# KiCad board BDCMotorController.kicad_pcb (continued)
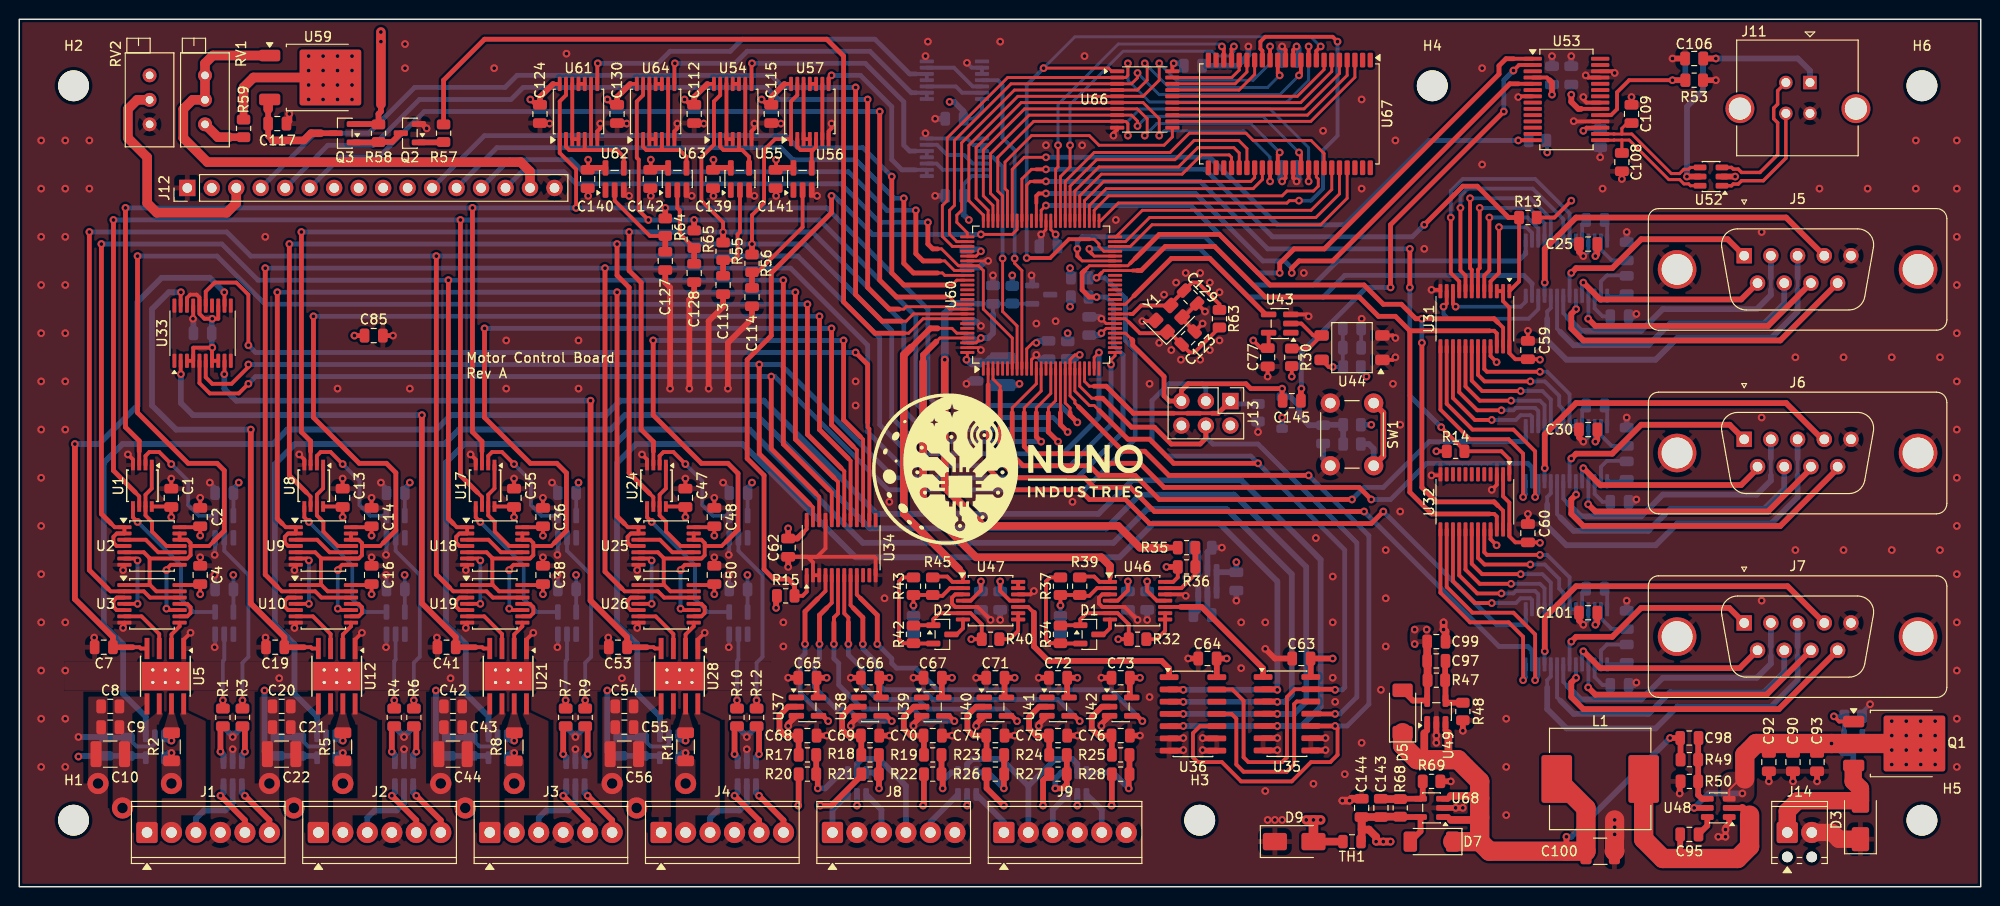
[diagram p0: board, top side]
## Routing (per net, layer and track width the routed paths; a pad name or vN(x,y) marks a point on that pad's centre or on a via; arc(x,y) is an arc through that point) (continued)
/ADC conditioning/VA1: length 4.1
  Top w0.4: R40.2 102.77,25.68 103.63,26.54 U47.8 U47.9
/ADC conditioning/VA1_IN: length 21.3
  Top w0.4: U47.10 104.67,29.03 105.27,28.43
  Top w0.6: U36.1 119.3,22.66 118.52,23.43 106.77,23.43 105.27,24.93 105.27,28.43
/ADC conditioning/VA1_OUT: length 37.4
  Top w0.3: 95.27,57.93 96.77,57.93 97.27,57.43 U60.96
  Top w0.4: R45.1 94.86,32.18 96.27,32.18 96.82,31.63 U47.1 97.91,32.18
  Top w0.6: 95.27,57.93 94.52,57.93 92.52,55.93 ; 97.52,32.93 97.91,32.54 97.91,32.18
  Top w0.8: 92.52,55.93 91.77,55.18 91.77,38.68 97.52,32.93
/IR Receiver/RX: length 20.3
  Top w0.3: U60.36 114.77,60.43 115.64,61.31
  Top w0.5: 115.64,61.31 119.52,65.18 123.52,65.18 129.32,59.38 U43.4
/LCD/BL_LED: length 55.6
  Top w1: J12.15 52.99,74.21 52.02,75.18 19.52,75.18 17.02,77.68 17.02,80.68 17.98,81.64 RV1.2 RV1.3 19.27,85.43 20.08,86.24 U59.1
/LCD/BL_ON: length 88.9
  Top w0.3: U60.93 93.77,58.93 92.27,57.43 91.77,57.43
  Top w0.5: R57.1 44.02,83.68 48.27,87.93 83.77,87.93 85.52,86.18 85.52,60.68 88.77,57.43 91.77,57.43
/LCD/DB4: length 69.9
  Top w0.3: 98.02,62.93 97.27,62.93 96.77,62.43 96.27,62.43
  Top w0.5: v1(90.52,73.68) 90.52,63.68 91.77,62.43 96.27,62.43
  Bottom w0.5: J12.11 48.26,77.93 79.52,77.93 80.77,76.68 87.52,76.68 v1(90.52,73.68)
/LCD/DB5: length 63.8
  Top w0.3: 98.02,63.43 96.02,63.43 95.77,63.68 95.27,63.68
  Top w0.5: 95.27,63.68 92.77,63.68 91.77,64.68 v1(91.77,71.43)
  Bottom w0.5: J12.12 49.55,76.68 79.02,76.68 80.27,75.43 86.77,75.43 90.77,71.43 v1(91.77,71.43)
/LCD/DB6: length 58.7
  Top w0.3: 98.02,63.93 97.02,63.93 96.02,64.93 95.52,64.93
  Top w0.5: 95.52,64.93 93.77,64.93 93.02,65.68 v1(93.02,70.18)
  Bottom w0.5: v1(93.02,70.18) 90.02,70.18 86.02,74.18 58.52,74.18 57.27,75.43 50.84,75.43 J12.13
/LCD/DB7: length 66.9
  Top w0.3: U60.7 103.02,56.93 100.02,59.93 100.02,63.93 99.52,64.43 U60.82 ; 95.27,66.18 95.68,66.18 97.43,64.43 98.02,64.43
  Top w0.5: 95.27,66.18 94.77,66.18 94.27,66.68 v1(94.27,68.93)
  Bottom w0.5: v1(94.27,68.93) 89.27,68.93 85.27,72.93 57.77,72.93 56.52,74.18 52.13,74.18 J12.14
/LCD/E: length 90
  Top w0.3: 96.02,61.18 96.52,61.18 97.27,60.43 U60.90
  Top w0.5: 96.02,61.18 91.02,61.18 89.27,62.93 v1(89.27,80.43)
  Bottom w0.5: v1(89.27,80.43) 42.02,80.43 37.27,75.68 33.31,75.68 J12.6
/LCD/RS: length 101.6
  Top w0.3: U60.92 92.77,59.43 92.02,58.68 91.52,58.68
  Top w0.5: v1(86.77,82.93) 86.77,61.43 89.52,58.68 91.52,58.68
  Bottom w0.5: J12.4 30.73,78.18 36.27,78.18 41.02,82.93 50.39,82.93 51.64,84.18 78.02,84.18 79.27,82.93 v1(86.77,82.93)
/LCD/R~{W}: length 96.3
  Top w0.3: 91.27,59.93 91.77,59.93 92.02,60.18 96.27,60.18 96.52,59.93 U60.91
  Top w0.5: 91.27,59.93 90.27,59.93 88.02,62.18 v1(88.02,81.68)
  Bottom w0.5: J12.5 32.02,76.93 36.77,76.93 41.52,81.68 51.02,81.68 52.27,82.93 77.52,82.93 78.77,81.68 v1(88.02,81.68)
  Bottom w0.6: J12.5 27.61,72.5
/LCD/Vo: length 24.9
  Top w1: J12.3 22.51,70.92 21.52,69.93 14.27,69.93 13.27,70.93 13.27,75.68 11.27,77.68 11.27,80.68 12.23,81.64 RV2.2
/MCU/INT6: length 24.1
  Top w0.3: v1(102.02,65.18) 102.02,59.68 103.52,58.18 U60.8
  Bottom w0.4: U58.11 101.02,75.68 102.02,74.68 v1(102.02,65.18)
/MCU/INT7: length 32.6
  Top w0.3: U60.9 104.02,63.93 103.27,64.68 v1(103.27,65.18)
  Bottom w0.4: U65.11 101.52,83.68 102.02,83.18 102.02,77.68 103.27,76.43 v1(103.27,65.18)
/MCU/MISO: length 21.4
  Top w0.3: U60.22 110.52,52.43 111.02,51.93 111.52,51.93
  Top w0.4: 123.77,49.12 122.48,49.12 ; 119.77,49.12 121.2,49.12
  Top w0.5: 123.77,49.12 124.38,49.12 J13.1 ; 111.52,51.93 112.77,51.93 115.58,49.12 119.77,49.12 ; 121.2,49.12 122.48,49.12
  Bottom w0.5: J13.1 125.95,50.09 R16.1
/MCU/MOSI: length 61.9
  Top w0.3: U60.21 110.02,51.93 111.27,50.68 111.77,50.68
  Top w0.5: 111.77,50.68 112.39,50.68 115.39,47.68 117.77,47.68 119.52,45.93 122.52,45.93 123.11,46.52 J13.4 ; v1(136.52,17.93) 134.99,17.93 134.97,17.95 U35.11
  Bottom w0.5: v1(136.52,17.93) 137.02,17.93 138.77,19.68 138.77,35.68 128.52,45.93 123.83,45.93 123.11,46.66 J13.4
/MCU/OC1A: length 218.3
  Top w0.3: v1(112.02,55.43) 111.52,54.93 U60.24
  Top w0.4: 9.23,30.89 9.47,30.65 U3.2 12.92,30.65 13.57,30 U3.12 ; 44.63,31.05 45.03,30.65 U19.2 48.48,30.65 49.13,30 U19.12
  Top w0.5: v1(7.27,67.93) 7.27,32.85 9.23,30.89 ; v1(43.27,65.43) 43.27,32.41 44.63,31.05
  Bottom w0.5: v1(112.02,55.43) 112.02,48.68 108.27,44.93 92.27,44.93 89.27,47.93 89.27,56.93 80.77,65.43 v1(43.27,65.43) 24.02,65.43 21.52,67.93 v1(7.27,67.93)
/MCU/OC1C: length 194.4
  Top w0.3: U60.26 113.68,55.09 113.27,54.68 v1(113.27,54.18)
  Top w0.4: 62.52,30.94 62.81,30.65 U26.2 66.26,30.65 66.91,30 U26.12 ; 26.74,31.16 27.25,30.65 U10.2 30.7,30.65 31.35,30 U10.12
  Top w0.5: v1(25.52,64.18) 25.52,32.38 26.74,31.16 ; 62.52,30.94 60.77,32.69 v1(60.77,64.18)
  Bottom w0.5: v1(113.27,54.18) 113.27,47.93 109.02,43.68 91.52,43.68 88.02,47.18 88.02,56.18 80.02,64.18 v1(60.77,64.18) v1(25.52,64.18)
/MCU/PCINT12: length 76.4
  Top w0.3: 105.27,73.18 104.89,73.18 104.52,72.81 U60.66
  Top w0.4: v1(106.52,73.18) 105.27,73.18 ; v1(147.52,47.68) 150.02,45.18 153.77,45.18 154.59,44.36 U32.1
  Top w0.5: v1(144.27,66.18) v1(144.27,62.18)
  Bottom w0.5: v1(144.27,62.18) 144.27,50.93 v1(147.52,47.68) ; v1(106.52,73.18) 122.52,73.18 129.52,66.18 v1(144.27,66.18)
/MCU/PCINT13: length 70.8
  Top w0.3: U60.67 104.02,73.43 105.02,74.43 105.52,74.43
  Top w0.4: 105.52,74.43 v1(106.52,74.43) ; U31.1 155.61,62.81 R13.1
  Top w0.5: R13.1 154.52,69.43 151.27,72.68 149.77,72.68 v1(145.77,68.68)
  Bottom w0.5: v1(145.77,68.68) 144.52,67.43 130.02,67.43 123.02,74.43 v1(106.52,74.43)
/MCU/PCINT14: length 73.2
  Top w0.3: v1(99.77,67.68) 103.02,67.68 103.52,68.18 U60.68
  Top w0.4: U34.1 81.7,30.61 81.27,30.18 R15.2
  Top w0.5: R15.2 80.43,31.27 79.77,31.93 78.27,31.93 77.27,32.93 77.27,42.68 75.52,44.43 75.52,54.68 78.02,57.18 78.02,63.68 84.27,69.93 v1(84.27,71.68)
  Bottom w0.5: v1(99.77,67.68) 88.52,67.68 84.52,71.68 v1(84.27,71.68)
/MCU/PCINT15: length 67.5
  Top w0.3: U60.69 103.02,74.43 104.27,75.68 v1(106.52,75.68)
  Top w0.4: v1(155.52,77.43) 155.55,77.46 U53.14
  Bottom w0.4: R54.2 v1(155.52,77.43)
  Bottom w0.5: v1(155.52,77.43) 146.27,77.43 137.52,68.68 130.52,68.68 123.52,75.68 v1(106.52,75.68)
/MCU/PH3: length 177.7
  Top w0.3: 105.52,49.18 105.52,49.68 107.02,51.18 U60.15
  Top w0.4: U8.6 30.22,40.48 29.77,40.93 ; 65.39,40.81 65.78,40.42 U24.6 ; U57.13 80.72,82.13 80.07,81.48 U57.1 78.41,77.57 77.27,76.43 77.27,70.93 76.02,69.68 v1(76.02,66.68)
  Top w0.5: 29.77,40.93 28.02,42.68 v1(28.02,66.68) ; v1(106.02,46.18) 105.52,46.68 105.52,49.18 ; 65.39,40.81 63.27,42.93 63.27,62.18 62.02,63.43 v1(62.02,66.68)
  Top w0.6: v1(76.02,66.68) R56.1
  Bottom w0.5: v1(106.02,46.18) 93.02,46.18 90.52,48.68 90.52,57.68 81.52,66.68 v1(76.02,66.68) v1(62.02,66.68) v1(28.02,66.68)
/MCU/PH4: length 169.1
  Top w0.3: 106.77,49.18 106.77,49.68 107.52,50.43 U60.16
  Top w0.4: 30.22,45.18 30.22,43.76 U8.3 ; 65.78,45.18 U24.3 ; v1(73.02,67.93) 73.02,68.93 70.77,71.18 70.77,75.68 72.07,76.98 U54.1 72.07,81.48 72.72,82.13 U54.13
  Top w0.5: v1(63.27,67.93) 63.27,63.93 64.52,62.68 64.52,47.43 65.78,46.17 65.78,45.18 ; v1(107.77,46.18) 106.77,47.18 106.77,49.18 ; v1(29.27,67.93) 29.27,47.18 30.22,46.23 30.22,45.18
  Top w0.6: v1(73.02,67.93) R55.1
  Bottom w0.5: v1(29.27,67.93) v1(63.27,67.93) v1(73.02,67.93) 82.27,67.93 91.77,58.43 91.77,49.43 93.77,47.43 106.52,47.43 v1(107.77,46.18)
/MCU/PH5: length 197.7
  Top w0.3: 108.02,49.18 U60.17
  Top w0.4: 12.02,40.93 12.44,40.51 U1.6 ; v1(65.27,69.18) 64.27,70.18 64.27,75.43 64.07,75.63 U64.1 64.07,81.48 64.72,82.13 U64.13 ; 47.52,40.93 48.01,40.45 U17.6
  Top w0.5: v1(9.77,69.18) 9.77,43.18 12.02,40.93 ; 47.52,40.93 45.77,42.68 v1(45.77,69.18) ; 108.02,49.18 108.02,47.93 v1(108.77,47.18)
  Top w0.6: v1(70.02,69.18) R65.1
  Bottom w0.5: v1(9.77,69.18) v1(45.77,69.18) v1(65.27,69.18) v1(70.02,69.18) 83.02,69.18 93.02,59.18 93.02,50.18 94.52,48.68 107.27,48.68 v1(108.77,47.18)
/MCU/PH6: length 189.2
  Top w0.3: U60.18 108.52,50.18 109.02,49.68 109.02,49.18
  Top w0.4: U61.1 56.07,76.98 ; U61.1 56.07,76.13 57.77,74.43 v1(57.77,70.43) ; U61.1 56.07,81.48 56.72,82.13 U61.13 ; 48.01,45.18 U17.3 ; 12.44,45.18 U1.3
  Top w0.5: v1(47.02,70.43) 47.02,47.18 48.01,46.2 48.01,45.18 ; v1(109.77,48.18) 109.02,48.93 109.02,49.18 ; v1(11.02,70.43) 11.02,47.68 12.44,46.26 12.44,45.18
  Top w0.6: v1(67.02,70.43) R64.1
  Bottom w0.5: v1(109.77,48.18) 108.02,49.93 95.27,49.93 94.27,50.93 94.27,59.93 83.77,70.43 v1(67.02,70.43) v1(57.77,70.43) v1(47.02,70.43) v1(11.02,70.43)
/MCU/RESET_TRIGGER: length 47.1
  Top w0.4: v1(155.02,84.68) 155.59,85.26 U53.2
  Top w0.5: v1(142.27,62.18) 142.27,68.68 v1(154.02,80.43)
  Top w0.6: C145.2 132.97,51.63 v1(133.02,51.68)
  Bottom w0.5: v1(154.02,80.43) 154.02,83.68 v1(155.02,84.68) ; v1(142.27,62.18) 139.78,62.18 133.02,55.42 v1(133.02,51.68)
/MCU/RXD0: length 75.3
  Top w0.3: 100.52,52.06 U60.2
  Top w0.5: v1(141.52,38.93) 140.27,37.68 117.27,37.68 114.77,40.18 111.02,40.18 110.02,41.18 102.77,41.18 100.52,43.43 100.52,52.06
  Bottom w0.4: 156.3,27.71 U51.15
  Bottom w0.5: v1(141.52,38.93) 153.27,27.18 156.02,27.18 156.3,27.46 156.3,27.71
/MCU/RXD1: length 57.1
  Top w0.3: 110.02,65.18 110.27,64.93 U60.45
  Top w0.4: v1(109.77,66.18) 109.77,65.43 110.02,65.18
  Bottom w0.4: 156.3,65.93 U15.15
  Bottom w0.5: 156.3,65.93 156.3,65.69 155.53,64.93 136.77,64.93 134.27,62.43 128.02,62.43 123.02,67.43 110.27,67.43 109.77,66.93 v1(109.77,66.18)
/MCU/RXD2: length 69.1
  Top w0.3: 103.02,49.18 103.02,49.68 105.52,52.18 U60.12
  Top w0.5: 103.02,49.18 103.02,44.81 104.14,43.68 111.02,43.68 112.02,42.68 115.77,42.68 118.27,40.18 v1(138.27,40.18)
  Bottom w0.4: 156.3,46.68 U16.15
  Bottom w0.5: v1(138.27,40.18) 139.52,41.43 141.52,41.43 146.27,46.18 156.02,46.18 156.3,46.46 156.3,46.68
/MCU/RXD3: length 65.5
  Top w0.3: v1(106.52,70.68) 106.02,70.18 U60.63
  Top w0.4: 155.02,85.91 U53.1
  Top w0.5: 155.02,85.91 154.25,85.91 153.52,85.18 153.52,84.31 135.39,66.18 132.27,66.18 130.77,64.68 v1(130.77,63.68)
  Bottom w0.5: v1(130.77,63.68) 128.52,63.68 121.52,70.68 v1(106.52,70.68)
/MCU/SCK: length 102.3
  Top w0.3: U60.20 109.52,51.43 111.02,49.93 111.52,49.93 112.02,49.43
  Top w0.4: U35.13 132.33,20.49 131.52,19.68 131.52,13.43 131.02,12.93 127.52,12.93 127.02,13.43 127.02,19.31 125.86,20.47 U36.13
  Top w0.5: U35.13 136.46,20.49 v1(136.52,20.43) ; 112.02,49.43 115.02,46.43 117.27,46.43 119.77,43.93 v1(128.52,43.93)
  Bottom w0.5: J13.3 123.11,51.84 122.77,52.18 119.27,52.18 117.52,50.43 117.52,46.18 119.02,44.68 127.77,44.68 v1(128.52,43.93) 137.52,34.93 137.52,20.68 137.27,20.43 v1(136.52,20.43)
/MCU/SCL: length 220.4
  Top w0.3: 112.27,63.68 112.52,63.93 U60.43 115.52,63.93
  Top w0.4: v1(23.77,52.18) 22.77,51.18 19.77,51.18 18.69,52.26 U33.5 ; 152.52,38.68 153.02,38.68 153.3,38.41 U32.22 ; 112.27,63.68 v1(111.77,63.18) ; 152.52,57.68 153.02,57.68 153.3,57.41 U31.22 ; 116.02,63.93 115.52,63.93 ; 82.64,40.81 82.99,40.46 U34.22
  Top w0.5: 116.02,63.93 116.39,63.93 118.89,66.43 124.02,66.43 129.27,61.18 139.02,61.18 141.02,59.18 142.77,59.18 144.27,57.68 ; 152.52,38.68 146.52,38.68 144.27,40.93 144.27,57.68 ; 144.27,57.68 152.52,57.68 ; v1(78.02,52.93) 78.02,45.43 82.64,40.81
  Bottom w0.5: v1(23.77,52.18) 24.52,52.93 v1(78.02,52.93) 78.39,52.93 90.14,41.18 110.52,41.18 115.77,46.43 115.77,55.68 114.77,56.68 114.77,61.06 112.64,63.18 v1(111.77,63.18) R67.2
/MCU/SDA: length 223.7
  Top w0.3: 110.77,64.18 111.02,64.43 U60.44 115.02,64.43 115.27,64.68
  Top w0.4: 115.77,65.18 115.27,64.68 ; U33.6 19.34,52.86 20.02,52.18 22.02,52.18 23.77,53.93 v1(23.77,54.18) ; 153.39,39.56 153.94,39.01 U32.23 ; 110.77,64.18 110.52,63.93 ; U31.23 153.94,58.01 153.39,58.56 ; 82.02,39.68 82.34,39.36 U34.23
  Top w0.5: 82.02,39.68 76.77,44.93 v1(76.77,54.18) ; v1(111.77,61.18) 111.02,61.18 110.27,61.93 110.27,63.68 110.52,63.93 ; 153.39,58.56 153.02,58.93 v1(145.52,58.93) 144.89,58.93 143.39,60.43 141.52,60.43 139.52,62.43 129.77,62.43 124.52,67.68 118.27,67.68 115.77,65.18 ; v1(145.52,56.43) 145.52,41.43 147.02,39.93 153.02,39.93 153.39,39.56
  Bottom w0.5: v1(145.52,58.93) v1(145.52,56.43) ; v1(23.77,54.18) v1(76.77,54.18) 79.02,54.18 90.77,42.43 109.77,42.43 114.52,47.18 114.52,55.18 113.52,56.18 113.52,60.43 112.77,61.18 v1(111.77,61.18) R66.2
/MCU/TXD0: length 74.7
  Top w0.3: U60.3 101.02,52.68 101.77,51.93 101.77,51.43
  Top w0.5: 101.77,51.43 101.77,44.18 103.52,42.43 110.52,42.43 111.52,41.43 115.27,41.43 117.77,38.93 v1(139.52,38.93)
  Bottom w0.4: 156.94,24.18 U51.13
  Bottom w0.5: 156.94,24.18 156.94,24.51 156.52,24.93 153.52,24.93 v1(139.52,38.93)
/MCU/TXD1: length 53.7
  Top w0.3: 111.27,65.68 111.52,65.43 U60.46
  Top w0.4: v1(111.02,66.18) 111.02,65.93 111.27,65.68
  Bottom w0.4: 156.94,62.43 U15.13
  Bottom w0.5: v1(111.02,66.18) 122.52,66.18 127.52,61.18 135.27,61.18 137.52,63.43 156.09,63.43 156.94,62.58 156.94,62.43
/MCU/TXD2: length 66.9
  Top w0.3: 104.27,49.18 104.27,49.68 106.02,51.43 U60.13
  Top w0.5: 104.27,49.18 104.27,45.68 105.02,44.93 111.52,44.93 112.52,43.93 116.27,43.93 118.77,41.43 139.02,41.43 v1(140.27,40.18)
  Bottom w0.4: 156.94,43.18 U16.13
  Bottom w0.5: 156.94,43.18 156.94,43.51 156.52,43.93 146.02,43.93 142.27,40.18 v1(140.27,40.18)
/MCU/TXD3: length 66.3
  Top w0.3: U60.64 105.52,70.93
  Top w0.4: 105.52,70.93 105.52,71.68 105.77,71.93 v1(106.52,71.93) ; 155.52,83.31 U53.5
  Top w0.5: 155.52,83.31 154.64,83.31 136.27,64.93 132.77,64.93 132.02,64.18 v1(132.02,63.68)
  Bottom w0.5: v1(106.52,71.93) 122.02,71.93 129.02,64.93 131.27,64.93 132.02,64.18 v1(132.02,63.68)
/MCU/XMEM_A00: length 8.3
  Top w0.3: U67.18 126.57,84.73 125.8,83.96 U66.19
/MCU/XMEM_A01: length 9.5
  Top w0.3: U67.17 127.37,84.53 126.14,83.31 U66.18
/MCU/XMEM_A02: length 10.7
  Top w0.3: U66.17 126.55,82.66 128.17,84.28 U67.16
/MCU/XMEM_A03: length 17.9
  Top w0.3: U66.16 132.59,82.01 135.37,84.78 U67.7
/MCU/XMEM_A04: length 19.1
  Top w0.3: U67.6 136.17,84.58 132.94,81.36 U66.15
/MCU/XMEM_A05: length 20.2
  Top w0.3: U66.14 133.3,80.71 136.97,84.38 U67.5
/MCU/XMEM_A06: length 21.4
  Top w0.3: U67.4 137.77,84.18 133.64,80.06 U66.13
/MCU/XMEM_A07: length 22.6
  Top w0.3: U67.3 138.57,83.98 134,79.41 U66.12
/MCU/XMEM_A08: length 21.9
  Top w0.3: U67.30 128.97,73.38 128.02,72.43 112.77,72.43 111.02,70.68 U60.53
/MCU/XMEM_A09: length 21.7
  Top w0.3: U67.29 128.17,73.58 127.77,73.18 112.52,73.18 110.52,71.18 U60.54
/MCU/XMEM_A10: length 21.3
  Top w0.3: U60.55 110.02,71.68 112.27,73.93 120.64,73.93 122.64,75.93 125.52,75.93 125.77,75.68 U67.26
/MCU/XMEM_A11: length 23.8
  Top w0.3: U67.27 126.57,76.13 126.02,76.68 122.27,76.68 120.27,74.68 112.02,74.68 109.52,72.18 U60.56
/MCU/XMEM_A12: length 26.2
  Top w0.3: U60.57 109.02,72.68 111.77,75.43 119.89,75.43 121.89,77.43 126.52,77.43 127.37,76.58 U67.28
/MCU/XMEM_A13: length 35.4
  Top w0.3: U67.38 135.37,76.08 134.02,77.43 128.02,77.43 127.27,78.18 121.39,78.18 119.39,76.18 111.52,76.18 108.52,73.18 U60.58
/MCU/XMEM_A14: length 34.2
  Top w0.3: U60.59 108.02,73.68 109.02,74.68 v1(109.02,76.93)
  Top w0.4: U67.19 125.77,86.93 v1(126.02,87.18)
  Bottom w0.3: v1(109.02,76.93) 109.02,81.18 114.52,86.68 123.77,86.68 124.27,86.18 125.52,86.18 126.02,86.68 v1(126.02,87.18)
/MCU/XMEM_A15: length 33.4
  Top w0.3: U60.60 107.52,74.43 107.77,74.68 v1(107.77,76.93)
  Top w0.4: v1(124.77,87.18) 124.97,86.98 U67.20
  Bottom w0.3: v1(124.77,87.18) 124.52,87.43 114.02,87.43 107.77,81.18 v1(107.77,76.93)
/MCU/XMEM_AD0: length 63.6
  Top w0.3: U60.78 96.81,66.43 95.77,67.47 95.77,70.68 96.27,71.18 96.27,77.68 102.55,83.96 U66.2 114.8,83.96 115.02,84.18 v1(115.02,85.43)
  Top w0.4: U67.9 v1(133.77,87.18)
  Bottom w0.3: 115.02,85.22 v1(115.02,85.43) 115.02,83.68 117.27,81.43 131.52,81.43 133.77,83.68 v1(133.77,87.18)
/MCU/XMEM_AD1: length 54.5
  Top w0.3: U60.77 97.27,66.93 96.52,67.68 96.52,70.18 97.02,70.68 97.02,77.43 102.89,83.31 U66.3 115.39,83.31 116.02,83.93 v1(116.02,84.43)
  Top w0.4: v1(132.77,84.18) 132.97,84.38 U67.10
  Bottom w0.3: v1(116.02,84.43) 118.27,82.18 130.77,82.18 v1(132.77,84.18)
/MCU/XMEM_AD2: length 51.4
  Top w0.3: U60.76 98.36,67.84 97.27,68.93 97.27,69.68 97.77,70.18 97.77,77.18 103.24,82.66 U66.4 115.99,82.66 117.02,83.68 117.02,85.18 v1(116.77,85.43)
  Top w0.4: U67.13 130.57,84.38 v1(130.77,84.18)
  Bottom w0.3: v1(116.77,85.43) 119.27,82.93 129.52,82.93 v1(130.77,84.18)
/MCU/XMEM_AD3: length 48.9
  Top w0.3: v1(118.27,85.43) 118.27,83.68 116.59,82.01 U66.5 103.59,82.01 98.52,76.93 98.52,71.18 100.02,69.68 U60.75
  Top w0.4: U67.14 v1(129.77,87.18)
  Bottom w0.3: v1(129.77,87.18) 129.77,85.43 128.02,83.68 120.02,83.68 v1(118.27,85.43)
/MCU/XMEM_AD4: length 48.2
  Top w0.3: U60.74 100.52,70.18 99.27,71.43 99.27,76.68 103.95,81.36 U66.6 116.59,81.36 118.27,79.68 v1(118.27,77.93)
  Top w0.4: U67.31 v1(129.77,73.18)
  Bottom w0.3: v1(129.77,73.18) 129.77,75.68 127.02,78.43 118.77,78.43 v1(118.27,77.93)
/MCU/XMEM_AD5: length 46.2
  Top w0.3: U60.73 101.02,70.68 100.02,71.68 100.02,76.43 104.3,80.71 U66.7 115.99,80.71 117.02,79.68 117.02,78.18 v1(116.77,77.93)
  Top w0.4: v1(130.77,76.18) 130.57,75.98 U67.32
  Bottom w0.3: v1(116.77,77.93) 118.02,79.18 127.77,79.18 v1(130.77,76.18)
/MCU/XMEM_AD6: length 45.3
  Top w0.3: v1(116.02,78.93) 116.02,79.43 115.39,80.06 U66.8 104.77,80.06 100.77,76.06 100.77,71.93 101.52,71.18 U60.72
  Top w0.4: U67.35 132.97,75.98 v1(132.77,76.18)
  Bottom w0.3: v1(132.77,76.18) 129.02,79.93 117.02,79.93 v1(116.02,78.93)
/MCU/XMEM_AD7: length 50.5
  Top w0.3: U60.71 102.02,71.68 101.52,72.18 101.52,75.68 105.24,79.41 U66.9 114.8,79.41 115.02,79.18 v1(115.02,77.93)
  Top w0.4: U67.36 v1(133.77,73.18)
  Bottom w0.3: v1(133.77,73.18) 133.77,76.68 129.77,80.68 116.27,80.68 115.02,79.43 v1(115.02,77.93)
/MCU/XMEM_ALE: length 26.4
  Top w0.3: U66.11 119.63,77.79 118.77,76.93 112.02,76.93 111.02,77.93 105.02,77.93 102.27,75.18 102.27,72.43 102.52,72.18 U60.70
/MCU/XMEM_BANK1: length 29.3
  Top w0.3: U60.48 115.27,66.43 117.52,68.68 135.02,68.68 137.77,71.43 U67.41
/MCU/XMEM_BANK2: length 28.1
  Top w0.3: U60.49 114.77,66.93 117.27,69.43 134.52,69.43 136.97,71.88 U67.40
/MCU/XMEM_BANK3: length 26.8
  Top w0.3: U67.39 136.17,72.33 134.02,70.18 116.52,70.18 113.77,67.43 U60.50
/MCU/XMEM_~{RD}: length 27.4
  Top w0.3: U67.37 134.57,73.63 134.77,73.43 134.77,72.68 134.27,72.18 131.52,72.18 131.02,71.68 113.02,71.68 111.52,70.18 U60.52
/MCU/XMEM_~{WR}: length 50.9
  Top w0.3: U60.51 112.18,69.09 114.02,70.93 131.52,70.93 131.77,71.18 v1(132.77,71.18)
  Top w0.4: v1(136.77,87.68) 136.27,88.18 129.27,88.18 128.77,87.68 128.77,86.93 128.97,86.73 U67.15
  Bottom w0.4: v1(132.77,71.18) 134.02,71.18 135.27,72.43 135.27,76.43 136.77,77.93 v1(136.77,87.68)
/MCU/XTAL1: length 13.8
  Top w0.3: 115.27,59.43 U60.34
  Top w0.4: 115.27,59.43 115.52,59.43 116.4,60.31 Y1.3 119.45,60.45 C129.1 121.68,62.68 122.27,62.68 124.52,60.43 R63.2
/MCU/XTAL2: length 13.5
  Top w0.3: 115.14,58.56 114.77,58.93 U60.33
  Top w0.4: 115.14,58.56 116.27,57.43 118.97,57.43 Y1.1 119.31,57.55 C123.1 121.43,55.43 121.93,55.43 R63.1
/MCU/~{RESET}: length 35.7
  Top w0.3: 115.39,56.81 114.77,57.43 U60.30
  Top w0.5: 120.52,50.44 J13.5 ; J13.5 120.57,51.48 121.27,52.18 127.27,52.18 127.77,51.68 v1(131.02,51.68) 131.02,50.48 C145.1 ; J13.5 119.31,50.39 118.77,50.93 118.77,52.93 115.52,56.18 115.52,56.68 115.39,56.81
  Bottom w0.5: v1(131.02,51.68) D6.2
  Bottom w0.6: R61.1 R62.2 135.32,47.93 C126.1 133.82,47.88 132.77,48.93 132.77,49.93 131.87,50.83 D6.2
/MCU/~{SS}: length 93.5
  Top w0.3: v1(110.02,55.18) 109.52,55.18 109.02,54.68 U60.19 109.02,50.93 109.52,50.43 109.52,50.18 109.89,49.81
  Top w0.4: v1(136.52,16.68) 136.77,16.43 136.77,13.68 136.02,12.93 134.02,12.93 132.02,10.93 126.77,10.93 124.77,12.93 122.27,12.93 121.77,13.43 121.77,15.93 122.5,16.66 U36.10
  Top w0.5: v1(133.77,42.68) 119.27,42.68 116.77,45.18 114.52,45.18 109.89,49.81 ; U35.10 v1(136.52,16.68)
  Bottom w0.5: v1(133.77,42.68) 140.02,36.43 140.02,18.93 137.77,16.68 v1(136.52,16.68)
  Bottom w0.6: v1(110.02,55.18) 109.61,54.77 R60.2
/MCU/~{XMEM_EN}: length 70.9
  Top w0.3: 111.02,67.18 111.52,67.18 112.02,66.68 112.02,66.43 112.52,65.93 U60.47 ; U66.1 113.34,84.61 113.02,84.93 v1(106.27,84.93)
  Top w0.4: 111.02,67.18 108.89,67.18 106.95,65.23 v1(104.52,65.23) ; v1(135.02,87.18) 134.57,86.73 U67.8
  Bottom w0.3: v1(135.02,87.18) 134.02,88.18 109.52,88.18 v1(106.27,84.93)
  Bottom w0.4: v1(104.52,65.23) 104.52,83.18 v1(106.27,84.93)
/Motor Control/CURRENT_M1A: length 202.1
  Top w0.6: v1(130.52,16.68) U35.5 ; v1(120.77,16.68) 120.75,16.66 U36.5
  Bottom w0.6: U7.1 13.12,17.65 10.77,20 10.77,25.15 8.77,27.15 8.77,43.99 10.71,45.93 26.31,45.93 27.81,47.43 43.27,47.43 44.77,48.93 60.85,48.93 62.35,50.43 77.24,50.43 88.99,38.68 111.96,38.68 115.46,42.18 126.77,42.18 135.02,33.93 135.02,18.68 133.02,16.68 v1(130.52,16.68) v1(120.77,16.68)
/Motor Control/CURRENT_M1B: length 178.8
  Top w0.6: v1(130.52,17.93) 130.5,17.95 U35.4 ; U36.4 v1(120.77,17.93)
  Bottom w0.6: U14.1 30.9,15.66 30.9,17.66 28.55,20.01 28.55,25.16 26.52,27.19 26.52,43.85 28.6,45.93 44.1,45.93 45.6,47.43 61.35,47.43 62.85,48.93 76.52,48.93 88.27,37.18 112.77,37.18 116.27,40.68 126.02,40.68 133.52,33.18 133.52,19.18 132.27,17.93 v1(130.52,17.93) v1(120.77,17.93)
/Motor Control/CURRENT_M2A: length 155.5
  Top w0.6: 130.52,19.2 130.5,19.22 U35.3 ; U36.3 120.75,19.2 v1(120.77,19.18)
  Bottom w0.6: 48.68,15.68 48.68,15.69 48.68,17.68 46.33,20.03 46.33,25.18 44.27,27.24 44.27,44.02 46.18,45.93 61.85,45.93 63.35,47.43 75.77,47.43 87.52,35.68 113.52,35.68 117.02,39.18 125.27,39.18 132.02,32.43 132.02,19.93 131.27,19.18 v1(130.52,19.18) v1(120.77,19.18)
/Motor Control/CURRENT_M2B: length 132.3
  Top w0.6: v1(130.52,20.43) 130.46,20.49 U35.2 ; v1(120.77,20.43) 120.73,20.47 U36.2
  Bottom w0.6: v1(120.77,20.43) v1(130.52,20.43) 130.52,31.68 124.52,37.68 117.64,37.68 114.14,34.18 86.77,34.18 75.02,45.93 63.99,45.93 62.02,43.96 62.02,27.27 64.11,25.18 64.11,20.03 66.46,17.68 66.46,15.66 U30.1
/Motor Control/EN_M1A: length 152.9
  Top w0.4: U3.1 13.57,31.3 ; 13.57,31.3 13.52,31.35 13.52,34.05 ; 13.57,31.3 14.22,30.65 U3.13 ; 13.52,34.05 U2.9 17.43,34.05 17.77,34.39 17.77,35.35 ; 13.52,34.05 13.52,34.1 12.92,34.7 U2.5 ; U2.13 U2.12 17.43,36 17.77,35.66 17.77,35.35 ; 17.77,35.35 19.69,35.35 20.14,35.81 ; 85.27,43.43 85.59,43.11 U34.18
  Top w0.5: v1(81.77,60.43) 81.77,46.93 85.27,43.43 ; 20.14,35.81 21.27,36.93 21.27,43.18 20.52,43.93 17.52,43.93 12.27,49.18 v1(12.27,65.43)
  Bottom w0.5: v1(81.77,60.43) 25.52,60.43 20.52,65.43 v1(12.27,65.43)
/Motor Control/EN_M1B: length 125.8
  Top w0.4: U9.13 U9.12 35.21,36 35.55,35.66 35.55,34.39 35.21,34.05 U9.9 31.3,34.05 ; U10.1 31.35,31.3 ; 31.35,31.3 31.3,31.35 31.3,34.05 ; 31.35,31.3 32,30.65 U10.13 ; 31.3,34.05 31.3,34.1 30.7,34.7 U9.5 ; 37.77,35.68 37.44,35.35 35.55,35.35 ; U34.17 86.24,44.21 86.02,44.43
  Top w0.5: 37.77,35.68 39.07,36.98 39.07,42.95 38.09,43.93 35.27,43.93 30.52,48.68 v1(30.52,59.18) ; 86.02,44.43 83.02,47.43 v1(83.02,59.18)
  Bottom w0.5: v1(83.02,59.18) v1(30.52,59.18)
/Motor Control/EN_M2A: length 106.5
  Top w0.4: 55.52,35.68 55.19,35.35 53.33,35.35 ; U19.1 49.13,31.3 ; 49.13,31.3 49.78,30.65 U19.13 ; 49.13,31.3 49.08,31.35 49.08,34.05 ; U34.16 86.89,45.31 86.52,45.68 ; U18.5 48.48,34.7 49.08,34.1 49.08,34.05 ; 49.08,34.05 U18.9 52.99,34.05 53.33,34.39 53.33,35.66 52.99,36 U18.12 U18.13
  Top w0.5: v1(84.27,57.93) 84.27,47.93 86.52,45.68 ; 55.52,35.68 56.77,36.93 56.77,42.93 55.77,43.93 53.02,43.93 48.27,48.68 v1(48.27,57.93)
  Bottom w0.5: v1(84.27,57.93) v1(48.27,57.93)
/Motor Control/EN_M2B: length 87.5
  Top w0.4: U25.13 U25.12 70.77,36 71.11,35.66 71.11,34.39 70.77,34.05 U25.9 66.86,34.05 ; 66.86,34.05 66.86,34.1 66.26,34.7 U25.5 ; 66.86,34.05 66.86,31.35 66.91,31.3 ; 66.91,31.3 67.56,30.65 U26.13 ; 66.91,31.3 U26.1 ; 71.11,35.35 72.87,35.35 73.36,35.84 ; 87.27,46.68 87.55,46.41 U34.15
  Top w0.5: 87.27,46.68 85.52,48.43 v1(85.52,56.68) ; v1(65.77,56.68) 65.77,48.93 70.77,43.93 73.52,43.93 74.57,42.88 74.57,37.05 73.36,35.84
  Bottom w0.5: v1(85.52,56.68) v1(65.77,56.68)
/Motor Control/F/~{R}_MA: length 165
  Top w0.4: 9.52,37.68 9.9,37.3 U2.1 U2.2 10.11,36.65 9.77,36.31 9.77,35.69 10.11,35.35 U2.4 ; U18.4 45.67,35.35 45.33,35.69 45.33,36.31 45.67,36.65 U18.2 U18.1 45.4,37.3 45.02,37.68 ; 84.02,41.18 84.3,40.91 U34.20
  Top w0.5: v1(8.52,66.68) 8.52,38.68 9.52,37.68 ; v1(79.27,62.93) 79.27,45.93 84.02,41.18 ; v1(44.52,62.93) 44.52,38.18 45.02,37.68
  Bottom w0.5: v1(79.27,62.93) v1(44.52,62.93) 24.77,62.93 21.02,66.68 v1(8.52,66.68)
/Motor Control/F/~{R}_MB: length 138.6
  Top w0.4: 62.77,37.68 63.15,37.3 U25.1 U25.2 63.45,36.65 63.11,36.31 63.11,35.69 63.45,35.35 U25.4 ; 27.27,37.68 27.65,37.3 U9.1 U9.2 27.89,36.65 27.55,36.31 27.55,35.69 27.89,35.35 U9.4 ; 84.52,42.43 84.95,42.01 U34.19
  Top w0.5: v1(62.02,61.68) 62.02,38.43 62.77,37.68 ; v1(80.52,61.68) 80.52,46.43 84.52,42.43 ; v1(26.77,61.68) 26.77,38.18 27.27,37.68
  Bottom w0.5: v1(80.52,61.68) v1(62.02,61.68) v1(26.77,61.68)
